# KiCad board Apollo - DSP.kicad_pcb
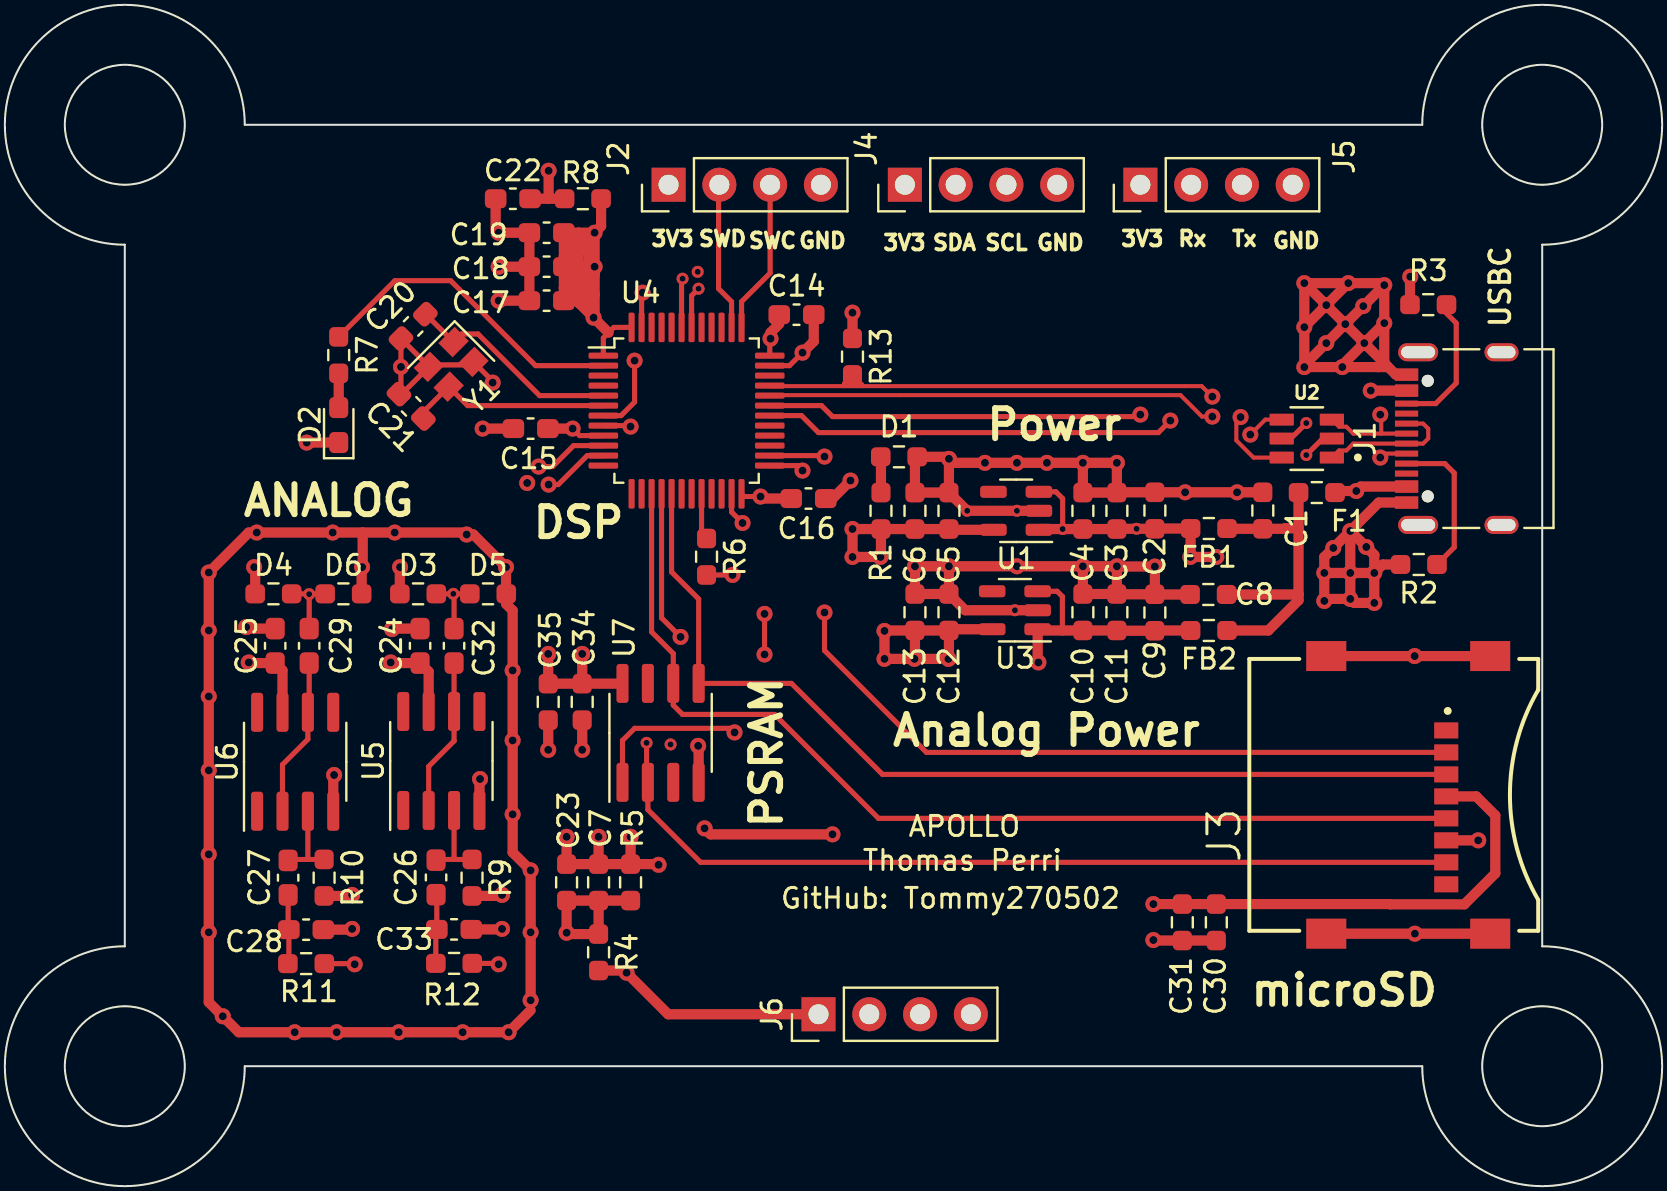
[diagram p0: board, top side]
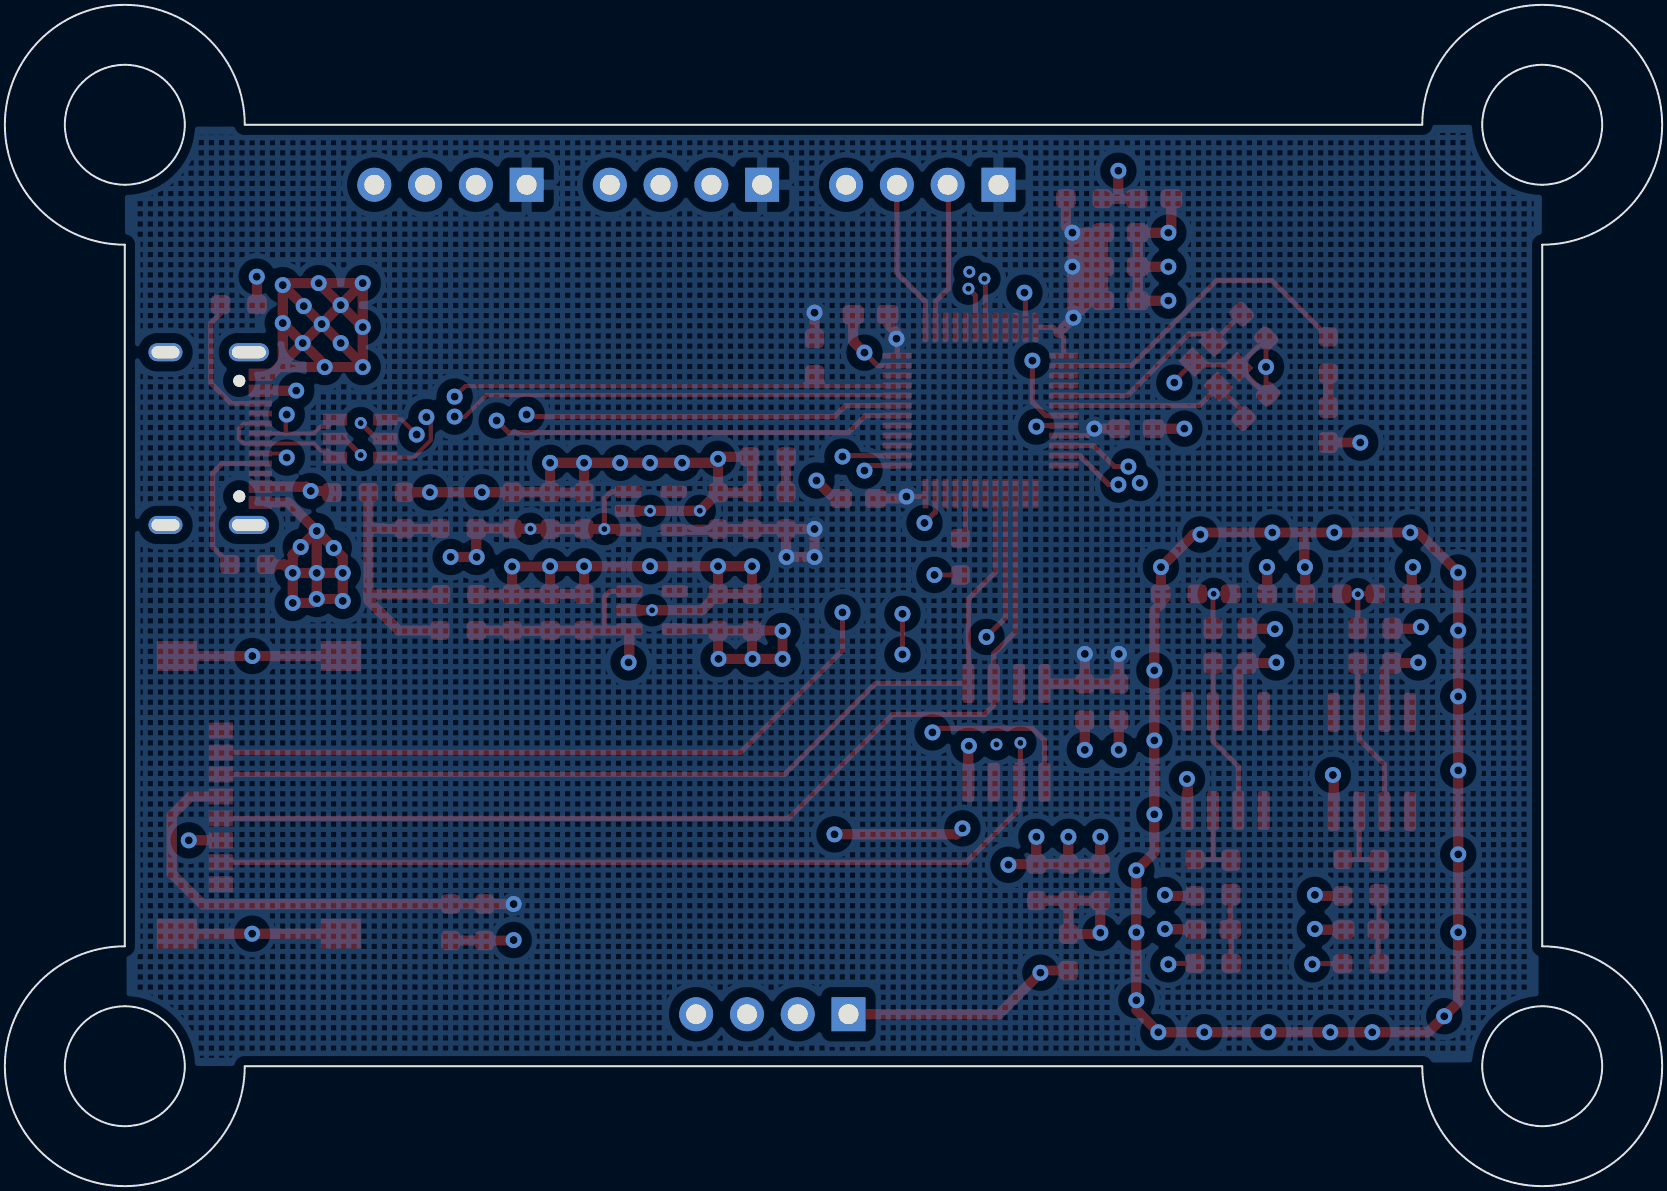
[diagram p1: board, bottom side, seen from below]

Outline 82.9 x 59.1 mm; copper layers: Top, In1.Cu, In2.Cu, Bottom. Coordinates in mm from the lower left corner of the outline.
Outline path: circle c6,53.1 r3 ; circle c6,6 r3 ; circle c76.9,53.1 r3 ; circle c76.9,6 r3 ; 6,47.1 arc(1.76,57.35) 12,53.1 70.9,53.1 arc(81.15,57.35) 76.9,47.1 76.9,12 arc(81.15,1.76) 70.9,6 12,6 arc(1.76,1.76) 6,12 6,47.1
Stack: Top 0.035mm / dielectric 0.2104mm FR4 er 4.5 / In1.Cu 0.0152mm / dielectric 1.065mm FR4 er 4.5 / In2.Cu 0.0152mm / dielectric 0.2104mm FR4 er 4.5 / Bottom 0.035mm

## Placement (name value [footprint] x y rotation side)
C1  100n  [R_0603_1608Metric_Pad0.98x0.95mm_HandSolder]  62.93 33.8 90 top
C2  100n  [R_0603_1608Metric_Pad0.98x0.95mm_HandSolder]  57.53 33.8 90 top
C3  10u  [R_0603_1608Metric_Pad0.98x0.95mm_HandSolder]  55.63 33.79 90 top
C4  100n  [R_0603_1608Metric_Pad0.98x0.95mm_HandSolder]  53.93 33.79 90 top
C5  10u  [R_0603_1608Metric_Pad0.98x0.95mm_HandSolder]  47.23 33.79 90 top
C6  100n  [R_0603_1608Metric_Pad0.98x0.95mm_HandSolder]  45.53 33.79 90 top
C7  10u  [R_0603_1608Metric_Pad0.98x0.95mm_HandSolder]  29.7 15.2 90 top
C8  100n  [R_0603_1608Metric_Pad0.98x0.95mm_HandSolder]  60.2 29.6 180 top
C9  100n  [R_0603_1608Metric_Pad0.98x0.95mm_HandSolder]  57.53 28.7 90 top
C10  10u  [R_0603_1608Metric_Pad0.98x0.95mm_HandSolder]  53.93 28.72 90 top
C11  100n  [R_0603_1608Metric_Pad0.98x0.95mm_HandSolder]  55.63 28.72 90 top
C12  10u  [R_0603_1608Metric_Pad0.98x0.95mm_HandSolder]  47.23 28.72 90 top
C13  100n  [R_0603_1608Metric_Pad0.98x0.95mm_HandSolder]  45.53 28.72 90 top
C14  100n  [C_0603_1608Metric_Pad1.08x0.95mm_HandSolder]  39.6 43.6 0 top
C15  100n  [C_0603_1608Metric_Pad1.08x0.95mm_HandSolder]  26.3 37.9 180 top
C16  100n  [C_0603_1608Metric_Pad1.08x0.95mm_HandSolder]  40.2 34.4 0 top
C17  100n  [C_0603_1608Metric_Pad1.08x0.95mm_HandSolder]  27.1 44.3 180 top
C18  100n  [C_0603_1608Metric_Pad1.08x0.95mm_HandSolder]  27.1 47.7 180 top
C19  10u  [C_0603_1608Metric_Pad1.08x0.95mm_HandSolder]  27.1 46 180 top
C20  10p  [C_0603_1608Metric_Pad1.08x0.95mm_HandSolder]  20.43 43.02 225 top
C21  10p  [C_0603_1608Metric_Pad1.08x0.95mm_HandSolder]  20.33 39.02 135 top
C22  100n  [C_0603_1608Metric_Pad1.08x0.95mm_HandSolder]  25.42 49.4 180 top
C23  10u  [R_0603_1608Metric_Pad0.98x0.95mm_HandSolder]  28.1 15.2 90 top
C24  100n  [C_0603_1608Metric_Pad1.08x0.95mm_HandSolder]  20.77 27.04 90 top
C25  100n  [C_0603_1608Metric_Pad1.08x0.95mm_HandSolder]  13.53 27.04 90 top
C26  100n  [C_0603_1608Metric_Pad1.08x0.95mm_HandSolder]  21.57 15.45 90 top
C27  100n  [C_0603_1608Metric_Pad1.08x0.95mm_HandSolder]  14.17 15.44 90 top
C28  100n  [C_0603_1608Metric_Pad1.08x0.95mm_HandSolder]  15.07 12.84 180 top
C29  100n  [C_0603_1608Metric_Pad1.08x0.95mm_HandSolder]  15.23 27.04 90 top
C30  10u  [R_0603_1608Metric_Pad0.98x0.95mm_HandSolder]  60.6 13.2 270 top
C31  100n  [R_0603_1608Metric_Pad0.98x0.95mm_HandSolder]  58.9 13.2 270 top
C32  100n  [C_0603_1608Metric_Pad1.08x0.95mm_HandSolder]  22.47 27.04 90 top
C33  100n  [C_0603_1608Metric_Pad1.08x0.95mm_HandSolder]  22.47 12.85 180 top
C34  10u  [R_0603_1608Metric_Pad0.98x0.95mm_HandSolder]  28.88 24.23 270 top
C35  100n  [R_0603_1608Metric_Pad0.98x0.95mm_HandSolder]  27.18 24.23 270 top
D1  LED  [R_0603_1608Metric_Pad0.98x0.95mm_HandSolder]  44.73 36.49 180 top
D2  R  [LED_0603_1608Metric_Pad1.05x0.95mm_HandSolder]  16.7 38.08 90 top
D3  D_Zener  [R_0603_1608Metric_Pad0.98x0.95mm_HandSolder]  20.67 29.64 0 top
D4  D_Zener  [R_0603_1608Metric_Pad0.98x0.95mm_HandSolder]  13.44 29.64 0 top
D5  D_Zener  [R_0603_1608Metric_Pad0.98x0.95mm_HandSolder]  24.17 29.64 0 top
D6  D_Zener  [R_0603_1608Metric_Pad0.98x0.95mm_HandSolder]  16.94 29.64 0 top
F1  500mA  [R_0603_1608Metric_Pad0.98x0.95mm_HandSolder]  65.63 34.7 180 top
FB1  100R@100MHz  [R_0603_1608Metric_Pad0.98x0.95mm_HandSolder]  60.23 32.9 180 top
FB2  100R@100MHz  [R_0603_1608Metric_Pad0.98x0.95mm_HandSolder]  60.23 27.8 180 top
J1  USB_C_Receptacle_USB2.0  [USB_C_Receptacle_Palconn_UTC16-G]  72.63 37.4 90 top
J2  Conn_01x04  [PinHeader_1x04_P2.54mm_Vertical]  33.2 50.1 90 top
J3  MEM2067-02-180-00-A_REVB  [GCT_MEM2067-02-180-00-A_REVB]  69.48 19.58 90 top
J4  Conn_01x04  [PinHeader_1x04_P2.54mm_Vertical]  45.02 50.1 90 top
J5  Conn_01x04  [PinHeader_1x04_P2.54mm_Vertical]  56.8 50.1 90 top
J6  Conn_01x04  [PinHeader_1x04_P2.54mm_Vertical]  40.7 8.6 90 top
R1  300R  [R_0603_1608Metric_Pad0.98x0.95mm_HandSolder]  43.83 33.79 270 top
R2  5.1k  [R_0603_1608Metric_Pad0.98x0.95mm_HandSolder]  70.73 31.1 180 top
R3  5.1k  [R_0603_1608Metric_Pad0.98x0.95mm_HandSolder]  71.2 44.1 180 top
R4  1k  [R_0603_1608Metric_Pad0.98x0.95mm_HandSolder]  29.7 11.7 270 top
R5  1k  [R_0603_1608Metric_Pad0.98x0.95mm_HandSolder]  31.3 15.2 90 top
R6  10k  [R_0603_1608Metric_Pad0.98x0.95mm_HandSolder]  35.1 31.49 270 top
R7  300  [R_0603_1608Metric_Pad0.98x0.95mm_HandSolder]  16.7 41.58 270 top
R8  10k  [R_0603_1608Metric_Pad0.98x0.95mm_HandSolder]  28.92 49.4 180 top
R9  1M  [R_0603_1608Metric_Pad0.98x0.95mm_HandSolder]  23.37 15.44 270 top
R10  1M  [R_0603_1608Metric_Pad0.98x0.95mm_HandSolder]  15.97 15.44 270 top
R11  33R  [R_0603_1608Metric_Pad0.98x0.95mm_HandSolder]  15.07 11.14 0 top
R12  33R  [R_0603_1608Metric_Pad0.98x0.95mm_HandSolder]  22.47 11.15 0 top
R13  1.5k  [R_0603_1608Metric_Pad0.98x0.95mm_HandSolder]  42.4 41.5 270 top
U1  AP2127K-3.3  [SOT-23-5]  50.59 33.79 180 top
U2  USBLC6-2SC6  [SOT95P280X145-6N]  65.13 37.4 180 top
U3  AP2127K-3.3  [SOT-23-5]  50.53 28.82 180 top
U4  STM32F103C6Tx  [LQFP-48_7x7mm_P0.5mm]  34.1 38.8 0 top
U5  LM741  [SOIC-8_3.9x4.9mm_P1.27mm]  21.84 21.27 90 top
U6  LM741  [SOIC-8_3.9x4.9mm_P1.27mm]  14.53 21.24 90 top
U7  ESP-PSRAM32  [SOIC-8_3.9x4.9mm_P1.27mm]  32.8 22.68 90 top
Y1  16MHz  [Crystal_SMD_2520-4Pin_2.5x2.0mm]  22.33 41.12 225 top

## Library data of the parts
J3 = -: MANUFACTURER: GCT
U2 = -: AVAILABILITY: In Stock; DESCRIPTION: 17V Clamp 5A (8/20µs) Ipp Tvs Diode Surface Mount SOT-23-6; MF: STMicroelectronics; PACKAGE: SOT-23-6 STMicroelectronics; PRICE: None; PURCHASE-URL: https://pricing.snapeda.com/search/part/USBLC6-2SC6/?ref=eda

## Footprints (pads in the part's own frame, mm; a bottom-side part is the same pattern mirrored in y, then rotated)
C_0603_1608Metric_Pad1.08x0.95mm_HandSolder
  rrect 1.075x0.95 smd: 1(-0.863,0) 2(0.863,0)
Crystal_SMD_2520-4Pin_2.5x2.0mm
  rect 1.15x1 smd: 1(-0.875,-0.7) 2(0.875,-0.7) 3(0.875,0.7) 4(-0.875,0.7)
GCT_MEM2067-02-180-00-A_REVB
  rect 0.8x1.2 smd: 1(3.225,-2.625) 2(2.125,-2.625) 3(1.025,-2.625) 4(-0.075,-2.625) 5(-1.175,-2.625) 6(-2.275,-2.625) 7(-3.375,-2.625) 8(-4.475,-2.625)
  rect 1.5x2 smd: 9(-6.945,-4.825) 10(-6.945,3.375) 11(6.945,3.375) 12(6.945,-4.825)
LED_0603_1608Metric_Pad1.05x0.95mm_HandSolder
  rrect 1.05x0.95 smd: 1(-0.875,0) 2(0.875,0)
LQFP-48_7x7mm_P0.5mm
  rrect 1.475x0.3 smd: 1(-4.162,2.75) 2(-4.162,2.25) 3(-4.162,1.75) 4(-4.162,1.25) 5(-4.162,0.75) 6(-4.162,0.25) 7(-4.162,-0.25) 8(-4.162,-0.75) 9(-4.162,-1.25) 10(-4.162,-1.75) 11(-4.162,-2.25) 12(-4.162,-2.75) 25(4.162,-2.75) 26(4.162,-2.25) 27(4.162,-1.75) 28(4.162,-1.25) 29(4.162,-0.75) 30(4.162,-0.25) 31(4.162,0.25) 32(4.162,0.75) 33(4.162,1.25) 34(4.162,1.75) 35(4.162,2.25) 36(4.162,2.75)
  rrect 0.3x1.475 smd: 13(-2.75,-4.162) 14(-2.25,-4.162) 15(-1.75,-4.162) 16(-1.25,-4.162) 17(-0.75,-4.162) 18(-0.25,-4.162) 19(0.25,-4.162) 20(0.75,-4.162) 21(1.25,-4.162) 22(1.75,-4.162) 23(2.25,-4.162) 24(2.75,-4.162) 37(2.75,4.162) 38(2.25,4.162) 39(1.75,4.162) 40(1.25,4.162) 41(0.75,4.162) 42(0.25,4.162) 43(-0.25,4.162) 44(-0.75,4.162) 45(-1.25,4.162) 46(-1.75,4.162) 47(-2.25,4.162) 48(-2.75,4.162)
PinHeader_1x04_P2.54mm_Vertical
  rect 1.7x1.7 hole 1: 1(0,0)
  oval 1.7x1.7 hole 1: 2(0,-2.54) 3(0,-5.08) 4(0,-7.62)
R_0603_1608Metric_Pad0.98x0.95mm_HandSolder
  rrect 0.975x0.95 smd: 1(-0.912,0) 2(0.912,0)
SOIC-8_3.9x4.9mm_P1.27mm
  rrect 1.95x0.6 smd: 1(-2.475,1.905) 2(-2.475,0.635) 3(-2.475,-0.635) 4(-2.475,-1.905) 5(2.475,-1.905) 6(2.475,-0.635) 7(2.475,0.635) 8(2.475,1.905)
SOT95P280X145-6N
  rrect 1.21x0.59 smd: 1(-1.255,0.95) 2(-1.255,0) 3(-1.255,-0.95) 4(1.255,-0.95) 5(1.255,0) 6(1.255,0.95)
SOT-23-5
  rrect 1.325x0.6 smd: 1(-1.137,0.95) 2(-1.137,0) 3(-1.137,-0.95) 4(1.137,-0.95) 5(1.137,0.95)
USB_C_Receptacle_Palconn_UTC16-G
  round 0.6 hole 0.6 unplated: (-2.89,1.45) (2.89,1.45)
  rect 0.6x1.16 smd: A1(-3.2,2.51) A4(-2.4,2.51) A9(2.4,2.51) A12(3.2,2.51) B1(3.2,2.51) B4(2.4,2.51) B9(-2.4,2.51) B12(-3.2,2.51)
  rect 0.3x1.16 smd: A5(-1.25,2.51) A6(-0.25,2.51) A7(0.25,2.51) A8(1.25,2.51) B5(1.75,2.51) B6(0.75,2.51) B7(-0.75,2.51) B8(-1.75,2.51)
  oval 0.9x2 hole 0.6x1.7: S1(-4.32,1.93) S1(4.32,1.93)
  oval 0.9x1.7 hole 0.6x1.4: S1(-4.32,-2.24) S1(4.32,-2.24)

## Nets
3.3V: C5.1 C6.1 C14.1 C15.1 C16.1 C17.1 C18.1 C19.1 C30.1 C31.1 C34.1 C35.1 J2.1 J3.4 J4.1 J5.1 R1.2 R8.1 R13.1 U1.5 U4.1 U4.9 U4.24 U4.36 U4.48 U7.8
+3.3VA: C12.1 C13.1 D3.1 D4.1 J6.1 R4.2 U3.5
+5V: C2.1 C3.1 C4.1 FB1.2 U1.1 U1.3 U2.5
+5VA: C9.1 C10.1 C11.1 C24.1 C25.1 FB2.2 U3.1 U3.3 U5.7 U6.7
GND: C1.2 C2.2 C3.2 C4.2 C5.2 C6.2 C7.2 C8.2 C9.2 C10.2 C11.2 C12.2 C13.2 C14.2 C15.2 C16.2 C17.2 C18.2 C19.2 C20.2 C21.2 C22.2 C23.2 C24.2 C25.2 C28.1 C30.2 C31.2 C33.1 C34.2 C35.2 D1.1 D2.1 D5.2 D6.2 J1.A1 J1.A12 J1.B1 J1.B12 J2.4 J3.6 J3.9 J3.10 J3.11 J3.12 J4.4 J5.4 J6.4 R2.2 R3.2 R5.2 R6.2 U1.2 U2.2 U3.2 U4.8 U4.23 U4.35 U4.47 U5.4 U6.4 U7.4 Y1.2 Y1.4
VBUS: C1.1 C8.1 F1.2 FB1.1 FB2.1
/Analog/CH0_+: C27.2 R10.1 U6.3
/Analog/CH0_LPF: C27.1 C28.2 R11.1
/Analog/CH0_OP_OUT: C29.1 U6.2 U6.6
/Analog/CH1_+: C26.2 R9.1 U5.3
/Analog/CH1_LPF: C26.1 C33.2 R12.1
/Analog/CH1_OP_OUT: C32.1 U5.2 U5.6
/POW: F1.1 J1.A4 J1.A9 J1.B4 J1.B9
ADC_CH0_IN: C29.2 D4.2 D6.1 U4.10
ADC_CH1_IN: C32.2 D3.2 D5.1 U4.11
BOOT0: U4.44
CH0_IN: J6.2 R11.2
CH1_IN: J6.3 R12.2
MISO: J3.7 U4.16 U7.2
MOSI: J3.3 U4.17 U7.5
NRST: C22.1 R8.2 U4.7
PA2: U4.12
PA3: U4.13
PA4: U4.14
PA8: U4.29
PA13: U4.34
PB0: U4.18
PB1: U4.19
PB3: U4.39
PB4: U4.40
PB5: U4.41
PB8: U4.45
PB9: U4.46
PB10: U4.21
PB11: U4.22
PB14: U4.27
PB15: U4.28
PC13_LED: R7.1 U4.2
PC14: U4.3
PC15: U4.4
PD0: C20.1 U4.5 Y1.1
PD1: C21.1 U4.6 Y1.3
RAM_nCS: U4.25 U7.1
Rx: J5.2 U4.31
SCL: J4.3 U4.42
SCLK: J3.5 U4.15 U7.6
SD_nCS: J3.2 U4.26
SDA: J4.2 U4.43
SIO2: U7.3
SIO3: U7.7
SWCLK: J2.3 U4.37
SWDIO: J2.2 U4.38
Tx: J5.3 U4.30
USB_CONN_+: J1.A6 J1.B6 U2.1
USB_CONN_-: J1.A7 J1.B7 U2.3
USB_D+: R13.2 U2.6 U4.33
USB_D-: U2.4 U4.32
VAA: C7.1 C23.1 R4.1 R5.1 R9.2 R10.2
Net-(D1-Pad2): D1.2 R1.1
Net-(D2-Pad2): D2.2 R7.2
Net-(J1-PadA5): J1.A5 R2.1
Net-(J1-PadB5): J1.B5 R3.1
Net-(R6-Pad1): R6.1 U4.20

Pads without a net: J1 A8 B8 S1; J3 1 8; U1 4; U3 4; U5 1 5 8; U6 1 5 8

## Via types
v1: diameter 0.8, hole 0.4, Top to Bottom, 144 vias
v2: diameter 0.6, hole 0.3, Top to Bottom, 14 vias

## Routing (per net, layer and track width the routed paths; a pad name or vN(x,y) marks a point on that pad's centre or on a via; arc(x,y) is an arc through that point)
3.3V: length 88.4
  Top w0.254: v1(38.3,42.4) 38.27,42.37 U4.36 ; U4.9 28.75,37.55 v1(28.4,37.9) ; U4.1 29.94,42.44 30.47,42.97 U4.48 ; v1(37.8,34.5) 36.99,34.5 U4.24 ; C14.1 38.74,43.14
  Top w0.508: C17.1 28.6,44.3 28.75,44.15 ; C17.1 28.2,44.3 29.5,45.6 ; C17.1 27.97,44.37 28.8,45.2 ; C17.1 27.97,44.94 ; v1(57.45,14.12) C31.1 C30.1 69.29,14.12 69.3,14.1 73.01,14.1 74.56,15.65 74.56,18.55 73.6,19.5 J3.4 ; C34.1 v1(28.88,26.63) ; C34.1 C35.1 v1(27.18,26.63) ; C34.1 30.89,25.14 U7.8 ; 28.8,44.2 28.75,44.15 ; 28.8,44.2 28.8,45.2 ; 28.8,44.2 29.1,44.2 ; 28.75,44.15 30.2,42.7 ; C19.1 27.97,44.94 ; C19.1 28.8,46 ; C19.1 28,46 28.7,46.7 ; C19.1 29.5,47.54 v1(29.5,47.7) ; C19.1 27.97,46.54 ; 27.97,44.94 29.03,46 v1(29.5,46) ; 28.8,46 28.8,45.2 ; 28.8,46 28.7,46.1 28.7,46.7 ; 28.8,46 29.2,46 ; 28.8,45.2 29.1,44.9 ; 28.8,45.2 28.8,45.3 v1(29.5,46) ; 29.1,44.9 29.4,44.6 29.5,44.6 ; 29.1,44.9 29.1,44.2 ; 28.7,46.7 28.7,47.7 ; 28.7,46.7 27.97,47.44 C18.1 ; 28.7,46.7 28.13,46.7 27.97,46.54 ; R13.1 v1(42.4,43.7) ; v1(37.8,34.5) 37.9,34.4 C16.1 ; v1(29.45,43.45) 29.5,43.5 29.5,44.6 ; v1(29.5,46) v1(29.5,47.7) ; v1(29.5,46) 29.5,45.6 ; v1(29.5,46) 29.2,46 ; 28.7,47.7 29.2,47.2 29.2,46 ; 28.7,47.7 v1(29.5,47.7) ; 28.7,47.7 C18.1 ; 29.5,45.6 29.5,44.6 ; v1(29.5,47.7) 29.83,48.03 R8.1 ; 29.5,44.6 29.1,44.2 ; 38.74,43.14 38.3,42.7 v1(38.3,42.4) ; 27.97,46.54 C18.1 ; C15.1 v1(28.4,37.9) ; R1.2 C6.1 C5.1 47.27,32.84 U1.5 ; R1.2 42.41,32.88 v1(42.4,32.88) v1(42.4,31.48) v1(43.8,31.48) 43.83,31.51 R1.2
+3.3VA: length 83.8
  Top w0.508: v1(19.77,30.97) 19.76,30.96 D3.1 ; U3.5 47.29,27.87 C12.1 ; C13.1 45.53,26.41 v1(45.5,26.38) ; C13.1 C12.1 ; C13.1 44.03,27.8 v1(44,27.78) v1(44,26.38) v1(45.5,26.38) ; D4.1 12.53,30.92 v1(12.47,30.97) ; v1(45.5,26.38) v1(47.2,26.38) 47.23,26.41 C12.1 ; R4.2 30.99,10.79 v1(31.1,10.68) 33.18,8.6 J6.1
  In2.Cu w0.508: v1(31.1,10.68) 44,23.58 v1(44,26.38) ; 19.77,28.81 35,28.81 36.03,27.78 v1(44,27.78) ; 19.77,28.81 19.8,28.78 14.4,28.78 12.47,30.71 v1(12.47,30.97) ; 19.77,28.81 v1(19.77,30.97)
+5V: length 23.7
  Top w0.254: v2(65.1,38.18) 64.33,37.4 U2.5 ; v2(52.92,32.88) 52.92,34.4 52.58,34.74 U1.3
  Top w0.508: U1.1 51.77,32.88 v2(52.92,32.88) C4.1 C3.1 55.64,32.89 C2.1 57.54,32.9 FB1.2 59.32,31.49 v1(59.3,31.48) v1(60.6,31.48)
  In2.Cu w0.254: v1(60.6,31.48) 61.18,31.48 63.2,33.5 63.2,36.4 64.98,38.18 v2(65.1,38.18)
  vias: v2(56.61,32.89)
+5VA: length 66.9
  Top w0.254: U3.3 52.64,29.77 52.9,29.5 52.9,27.8
  Top w0.508: v1(35,17.9) 35.3,17.6 v1(41.4,17.6) ; FB2.2 57.54,27.8 C9.1 55.64,27.79 C11.1 C10.1 51.73,27.8 U3.1 51.67,26.24 v1(51.7,26.2) ; v1(12.2,26.2) 12.23,26.17 C25.1 13.89,25.81 13.89,23.77 ; v1(19.3,26.2) 19.33,26.17 C24.1 21.2,25.74 21.2,23.81
  In2.Cu w0.508: v1(51.7,26.2) 43.1,17.6 v1(41.4,17.6) ; v1(35,17.9) 32.9,20 26.1,20 19.9,26.2 v1(19.3,26.2) v1(12.2,26.2)
GND: length 283.5
  Top w0.254: v1(31.9,44.7) 31.85,44.65 U4.47 ; R6.2 v1(36.4,30.58) ; v1(39.9,41.7) 39.25,41.05 U4.35 ; Y1.2 21.31,41.09 23.29,41.09 Y1.4 24.4,40.28 v1(24.4,40.2) ; Y1.2 21.21,41.01 C20.2 19.82,39.73 C21.2 19.85,39.63 Y1.2 ; v1(36.9,33.18) 36.35,33.73 U4.23 ; v1(31.3,38) 31.25,38.05 U4.8 ; v2(65.1,36.58) 65.93,37.4 U2.2
  Top w0.508: R5.2 32.67,16.12 v1(32.7,16.08) ; R5.2 v1(31.3,17.48) ; R5.2 C7.2 ; v1(47.23,31.02) v1(53.93,31.02) ; v1(47.23,31.02) v1(45.53,31.02) C13.2 C12.2 ; v1(47.23,31.02) C12.2 ; v1(53.93,31.02) C10.2 C11.2 ; v1(53.93,31.02) v1(55.63,31.02) ; v1(67.2,45.18) 68.9,45.18 v1(69,45.08) ; v1(67.2,45.18) v1(65,45.18) ; v1(67.2,45.18) v1(66.1,44.08) ; v1(57.45,12.32) 57.48,12.29 C31.2 C30.2 ; v1(39.9,41.7) 40.47,42.27 C14.2 ; C3.2 v1(55.63,36.19) v1(53.93,36.19) ; C3.2 C4.2 v1(53.93,36.19) ; C3.2 55.64,34.72 C2.2 v1(59.04,34.72) v1(61.64,34.72) C1.2 ; U3.2 48.04,28.82 C12.2 ; v1(67.3,30.68) v1(66,30.68) ; v1(67.3,30.68) v1(68.5,30.68) ; v1(67.3,30.68) v1(67.3,29.38) ; v1(67.3,30.68) v1(67.3,32.78) ; v1(66,30.68) v1(66,29.28) 66.1,29.38 v1(67.3,29.38) ; v1(66,30.68) 66,31.48 v1(67.3,32.78) ; v1(69,45.08) v1(67.05,43.13) ; v1(69,45.08) v1(69,43.18) ; v1(28.1,17.48) C23.2 C7.2 ; v1(67.05,43.13) v1(68,42.18) ; v1(67.05,43.13) 65,41.08 v1(65,40.98) ; v1(67.05,43.13) v1(66.1,44.08) ; U7.4 34.71,22.01 v1(34.68,22.03) ; C15.2 v1(23.9,37.9) ; R3.2 70.29,45.49 v1(70.3,45.5) ; J3.9 v1(70.53,12.63) J3.10 ; 69.15,41.03 69.58,40.6 J1.A12 ; 69.15,41.03 v1(68,42.18) ; 69.15,41.03 69.1,40.98 68.7,40.98 ; C11.2 v1(55.63,31.02) ; C11.2 55.64,29.62 C9.2 ; v1(55.63,31.02) 55.64,31 v1(57.53,31) C9.2 ; 16.43,18.7 16.43,20.53 v1(16.47,20.57) ; D2.1 15.11,37.21 v1(15.1,37.2) ; v1(67.3,29.38) 67.5,29.18 v1(68.5,29.18) v1(68.5,30.68) ; v1(24.7,44.3) C17.2 C19.2 ; C5.2 C6.2 45.53,36.38 D1.1 47.13,36.49 v1(47.23,36.39) ; C5.2 v1(47.23,36.39) ; C5.2 v2(48.14,33.79) U1.2 ; C24.2 19.4,27.9 v1(19.37,27.87) ; C22.2 24.55,47.85 v1(24.7,47.7) C18.2 C19.2 ; 26.3,8.8 v1(25.2,7.7) v1(22.9,7.7) v1(19.7,7.7) v1(16.6,7.7) v1(14.5,7.7) 11.7,7.7 v1(10.9,8.5) 10.2,9.2 v1(10.2,20.8) v1(10.2,24.5) v1(10.2,30.7) 12.2,32.7 v1(12.6,32.7) v1(16.4,32.7) 17.9,32.7 ; v1(47.23,36.39) 47.43,36.19 v1(52.13,36.19) v1(53.93,36.19) ; 17.9,32.7 v1(19.5,32.7) 23,32.7 v1(23.1,32.6) 23.44,32.6 v1(25.07,30.97) 25.07,29.65 D5.2 25.09,29.12 25.4,28.8 25.4,16.7 v1(26.3,15.8) v1(26.3,12.7) v1(26.3,9.3) ; 17.9,32.7 17.9,31 v1(17.87,30.97) 17.85,30.95 D6.2 ; C19.2 v1(24.7,46) ; v1(65,40.98) v1(65,45.18) ; v1(65,40.98) 68.7,40.98 ; v1(24.87,12.87) 24.85,12.85 C33.1 ; v1(68.5,30.68) 68.5,31.58 ; v1(68.5,30.68) 68.93,31.1 R2.2 ; 68.5,31.58 v1(67.3,32.78) ; 68.5,31.58 v1(68.1,31.98) ; v1(66.9,40.98) 66.9,41.08 v1(68,42.18) ; J3.11 J3.12 ; C7.2 v1(29.7,17.48) ; C9.2 57.54,29.6 C8.2 ; v1(69,43.18) 69,41.28 68.7,40.98 ; v1(69,43.18) v1(68,42.18) ; v1(67.3,32.78) 68.73,34.2 J1.A1 ; v1(65,42.98) v1(66.1,44.08) ; v1(66.1,44.08) v1(65,45.18) ; v1(42.3,35.3) 41.4,34.4 C16.2 ; v1(17.37,12.87) 17.34,12.84 C28.1 ; 23.74,18.74 23.74,20.34 v1(23.77,20.37) ; C34.2 v1(28.88,21.83) ; C25.2 12.15,27.9 v1(12.07,27.97) ; J3.6 v1(73.7,17.3) ; C35.2 v1(27.18,21.83)
  vias: v1(10.2,27.8) v1(10.2,16.6) v1(10.2,12.7) v1(19.82,40.99) v1(25.4,25.8) v1(25.4,22.3) v1(25.4,18.6) v1(26.13,35.18) v1(49.03,36.19) v1(50.63,36.19) v1(50.63,31.02) v1(66.1,42.18) v1(66.45,31.93) v1(67.95,44.03) v1(70.52,26.52) v2(33.3,22.1) v2(34.66,45.75) v2(50.53,28.82) v2(50.63,33.79)
VBUS: length 16.8
  Top w0.508: C8.1 64.7,29.6 64.72,29.62 ; 64.72,29.62 64.72,32.92 ; 64.72,29.62 64.72,29.32 63.2,27.8 FB2.1 61.15,27.79 ; 64.72,32.92 64.04,32.92 64.02,32.89 C1.1 61.15,32.89 FB1.1 ; 64.72,32.92 F1.2
/Analog/CH0_+: length 4.2
  Top w0.254: R10.1 15.1,16.35 ; 15.1,16.35 14.22,16.35 C27.2 ; 15.1,16.35 15.16,16.41 15.16,18.7
/Analog/CH0_LPF: length 3.5
  Top w0.254: C27.1 14.17,12.87 C28.2 14.21,11.19 R11.1
/Analog/CH0_OP_OUT: length 8
  Top w0.254: C29.1 15.23,23.84 15.16,23.77 15.16,22.36 13.89,21.09 13.89,18.7
/Analog/CH1_+: length 4.2
  Top w0.254: 22.4,16.35 22.47,16.42 22.47,18.74 ; 22.4,16.35 R9.1 ; 22.4,16.35 21.61,16.35 C26.2
/Analog/CH1_LPF: length 3.5
  Top w0.254: R12.1 21.56,12.8 C33.2 21.61,14.55 C26.1
/Analog/CH1_OP_OUT: length 8
  Top w0.254: 21.2,18.74 21.2,21 22.47,22.27 C32.1
/POW: length 10.8
  Top w0.508: J1.A9 v1(68.33,39.8) ; F1.1 66.62,34.78 v1(67.6,34.78) 67.83,35 J1.A4
  In2.Cu w0.508: v1(67.6,34.78) 67.6,39.08 v1(68.33,39.8)
ADC_CH0_IN: length 21.6
  Top w0.254: 15.21,29.64 D4.2 ; 15.21,29.64 v2(15.23,29.62) C29.2 ; 15.21,29.64 D6.1 ; U4.10 28.45,37.05 27.4,36 v1(26.7,36)
  In2.Cu w0.254: v2(15.23,29.62) 15.23,29.93 21.5,36.2 26.5,36.2 v1(26.7,36)
ADC_CH1_IN: length 14.3
  Top w0.254: v1(27.2,35.1) 27.68,35.1 29.13,36.55 U4.11 ; D3.2 v2(22.44,29.64) ; v2(22.44,29.64) 22.47,29.67 C32.2 ; v2(22.44,29.64) D5.1
  In2.Cu w0.254: v2(22.44,29.64) 22.44,30.04 27.2,34.8 v1(27.2,35.1)
CH0_IN: length 30.6
  Top w0.254: v1(17.5,11.1) 17.47,11.14 R11.2
  In2.Cu w0.254: J6.2 43.24,9.36 42.2,10.4 34.8,10.4 32.6,8.2 29,8.2 26.9,10.3 18.3,10.3 v1(17.5,11.1)
CH1_IN: length 26.3
  Top w0.254: v1(24.7,11.1) 24.66,11.15 R12.2
  In2.Cu w0.25: J6.3 45.78,10.22 44.8,11.2 34.5,11.2 32.2,8.9 31.6,8.9
  In2.Cu w0.254: v1(24.7,11.1) 27.4,11.1 29.6,8.9 31.6,8.9
MISO: length 58
  Top w0.254: J3.7 34.8,16.2 32.17,18.84 U7.2 32.1,20.27 v2(32.1,22.18) ; U4.16 32.85,28.43 v1(33.8,27.48)
  In2.Cu w0.254: v2(32.1,22.18) 32.1,25.78 v1(33.8,27.48)
MOSI: length 49.3
  Top w0.254: J3.3 43.9,20.6 39.35,25.16 U7.5 34.71,29.38 33.35,30.73 U4.17
NRST: length 20
  Top w0.254: v1(31.5,41.3) 31.5,39.23 30.83,38.55 U4.7
  Top w0.508: 27.2,49.4 v1(27.2,50.8) ; 27.2,49.4 C22.1 ; 27.2,49.4 R8.2
  In2.Cu w0.254: v1(27.2,50.8) 30,50.8 30.7,50.1 30.7,42.1 v1(31.5,41.3)
PC13_LED: length 16.2
  Top w0.254: U4.2 26.55,41.05 22.3,45.3 19.51,45.3 R7.1
PD0: length 10.9
  Top w0.254: U4.5 26.75,39.55 23.67,42.64 22.86,42.64 Y1.1 21.05,43.63 C20.1
PD1: length 10.3
  Top w0.254: U4.6 23.15,39.05 Y1.3 20.94,38.74 C21.1
RAM_nCS: length 24.3
  Top w0.254: v1(38,28.63) v1(38,26.6) ; v1(36.5,22.7) 36.3,22.91 31.51,22.91 30.9,22.3 30.9,22.3 U7.1 ; U4.25 39.65,36.05 v1(39.9,35.8)
  In2.Cu w0.254: v1(38,26.6) 38,24.2 v1(36.5,22.7) ; v1(38,28.63) 39.9,30.53 v1(39.9,35.8)
Rx: length 31.4
  Top w0.254: U4.31 40.85,39.05 41.4,38.5 56.7,38.5 v1(56.8,38.6)
  In2.Cu w0.254: J5.2 59.34,41.32 56.8,38.78
  Bottom w0.254: v1(56.8,38.6) 56.8,38.78
SCL: length 20.7
  Top w0.254: v2(34.7,44.9) 34.35,44.55 U4.42
  In2.Cu w0.254: v2(34.7,44.9) 35.4,45.6 47.4,45.6 50.1,48.3 J4.3
SCLK: length 52
  Top w0.254: J3.5 43.7,18.4 38.5,23.6 33.9,23.6 33.44,24.07 U7.6 33.44,26.65 32.35,27.73 U4.15
SD_nCS: length 45.7
  Top w0.254: v1(41,36.5) 40.95,36.55 U4.26 ; J3.2 46.1,21.7 41,26.8 v1(41,28.7)
  In2.Cu w0.254: v1(41,36.5) v1(41,28.7)
SDA: length 18.5
  Top w0.254: U4.43 33.85,45.35 v2(33.9,45.4)
  In2.Cu w0.254: v2(33.9,45.4) 33.9,46.19 34.32,46.6 44.06,46.6 J4.2
SWCLK: length 7.7
  Top w0.254: U4.37 36.85,44.25 38.28,45.68 J2.3
SWDIO: length 7.4
  Top w0.254: U4.38 36.35,44.25 35.7,44.9 35.7,50.06 J2.2
Tx: length 33.9
  Top w0.254: v1(58.3,38.3) 57.7,37.7 40.7,37.7 39.85,38.55 U4.30
  In2.Cu w0.254: 58.3,38.43 61.88,42.01 J5.3
  Bottom w0.254: v1(58.3,38.3) 58.3,38.43
USB_CONN_+: length 6.9
  Top w0.2: J1.B6 70.95,38.15 71.2,37.9 71.2,37.41 70.95,37.15 J1.A6 67.45,37.15 67.11,36.81 66.74,36.81 U2.1
USB_CONN_-: length 8.5
  Top w0.2: 68.85,37.65 J1.A7 ; 68.85,37.65 67.45,37.65 67.11,38 66.74,38 U2.3 ; 68.85,37.65 68.85,38.55 v1(68.8,38.6) ; J1.B7 69,36.65 v1(68.8,36.45)
  In2.Cu w0.2: v1(68.8,38.6) v1(68.8,36.45)
USB_D+: length 32.1
  Top w0.2: 42.63,40.03 42.88,40.03 ; 42.63,40.03 42.63,40.37 R13.2 ; 42.63,40.03 42.48,40.03 ; 42.88,40.03 59.87,40.03 60.39,39.5 v1(60.4,39.5) ; 42.88,40.03 42.88,40.12 R13.2 ; v1(61.82,38.48) 61.6,38.27 61.6,37.31 62.46,36.45 U2.6 ; 42.4,40.1 42.4,40.69 ; 42.4,40.1 42.48,40.03 ; 42.4,40.1 R13.2 ; R13.2 41.98,40.17 41.98,40.03 ; R13.2 42.23,40.42 42.23,40.03 ; U4.33 38.29,40.03 41.98,40.03 ; 41.98,40.03 42.23,40.03 ; 42.23,40.03 42.48,40.03
  In2.Cu w0.2: v1(61.82,38.48) 61.43,38.48 v1(60.4,39.5)
USB_D-: length 26.7
  Top w0.2: U2.4 63.05,38.35 v1(62.3,37.6) ; U4.32 38.29,39.58 44.8,39.58 58.81,39.58 59.88,38.5 v1(60.4,38.5)
  In2.Cu w0.2: v1(60.4,38.5) 60.8,38.5 61.6,37.7 62.2,37.7
  Bottom w0.2: v1(62.3,37.6) 62.2,37.7
VAA: length 22.6
  Top w0.508: R10.2 17.32,14.52 v1(17.37,14.57) ; C7.1 R5.1 ; C7.1 R4.1 28.17,12.62 v1(28.1,12.68) C23.1 C7.1 ; R9.2 24.82,14.52 v1(24.87,14.57)
  In2.Cu w0.508: v1(28.1,12.68) 26.21,14.57 v1(24.87,14.57) v1(17.37,14.57)
Net-(D1-Pad2): length 1.8
  Top w0.508: R1.1 43.83,36.48 D1.2
Net-(D2-Pad2): length 1.7
  Top w0.508: D2.2 R7.2
Net-(J1-PadA5): length 7.5
  Top w0.254: R2.1 72.5,31.97 72.5,35.68 72.03,36.15 J1.A5
Net-(J1-PadB5): length 7.1
  Top w0.254: R3.1 72.3,43.92 ; J1.B5 71.58,39.15 72.6,40.18 72.6,43.18 72.02,43.76 72.02,43.92
Net-(R6-Pad1): length 2.3
  Top w0.254: R6.1 34.85,32.66 U4.20

## Copper pours and planes (outline as drawn; the poured copper is in the pictures)
3.3V on Bottom: 76.9,53 76.8,6 6.2,6.2 6,53.1
GND on In1.Cu: 83.4,-0.7 -1.2,-0.5 -2,60.6 84.5,60

## Text on the board
F.Silkscreen: 3V3 | SWD | SWC | GND | SDA | SCL | Rx | Tx | GitHub: Tommy270502 | Thomas Perri | APOLLO | USBC | ANALOG | DSP | Analog Power | Power | microSD | PSRAM
